# Altium PCB Блок 1а (БУ АРМ).PcbDoc (part 1 of 4)
Units mm, origin at the board's own origin, x right, y up, seen from the top; angles counter-clockwise.
Board outline 220 x 306 mm, 6 copper layers (Top Layer, Top, Internal Plane 1, gnd, Mid-Layer 1, int1, Layer 1, Layer 2, Bottom Layer), stack 2.063 mm thick; 441 components, 363 nets, 1411 pads, 551 vias.
Unrouted connection lines stored in the file: 221.
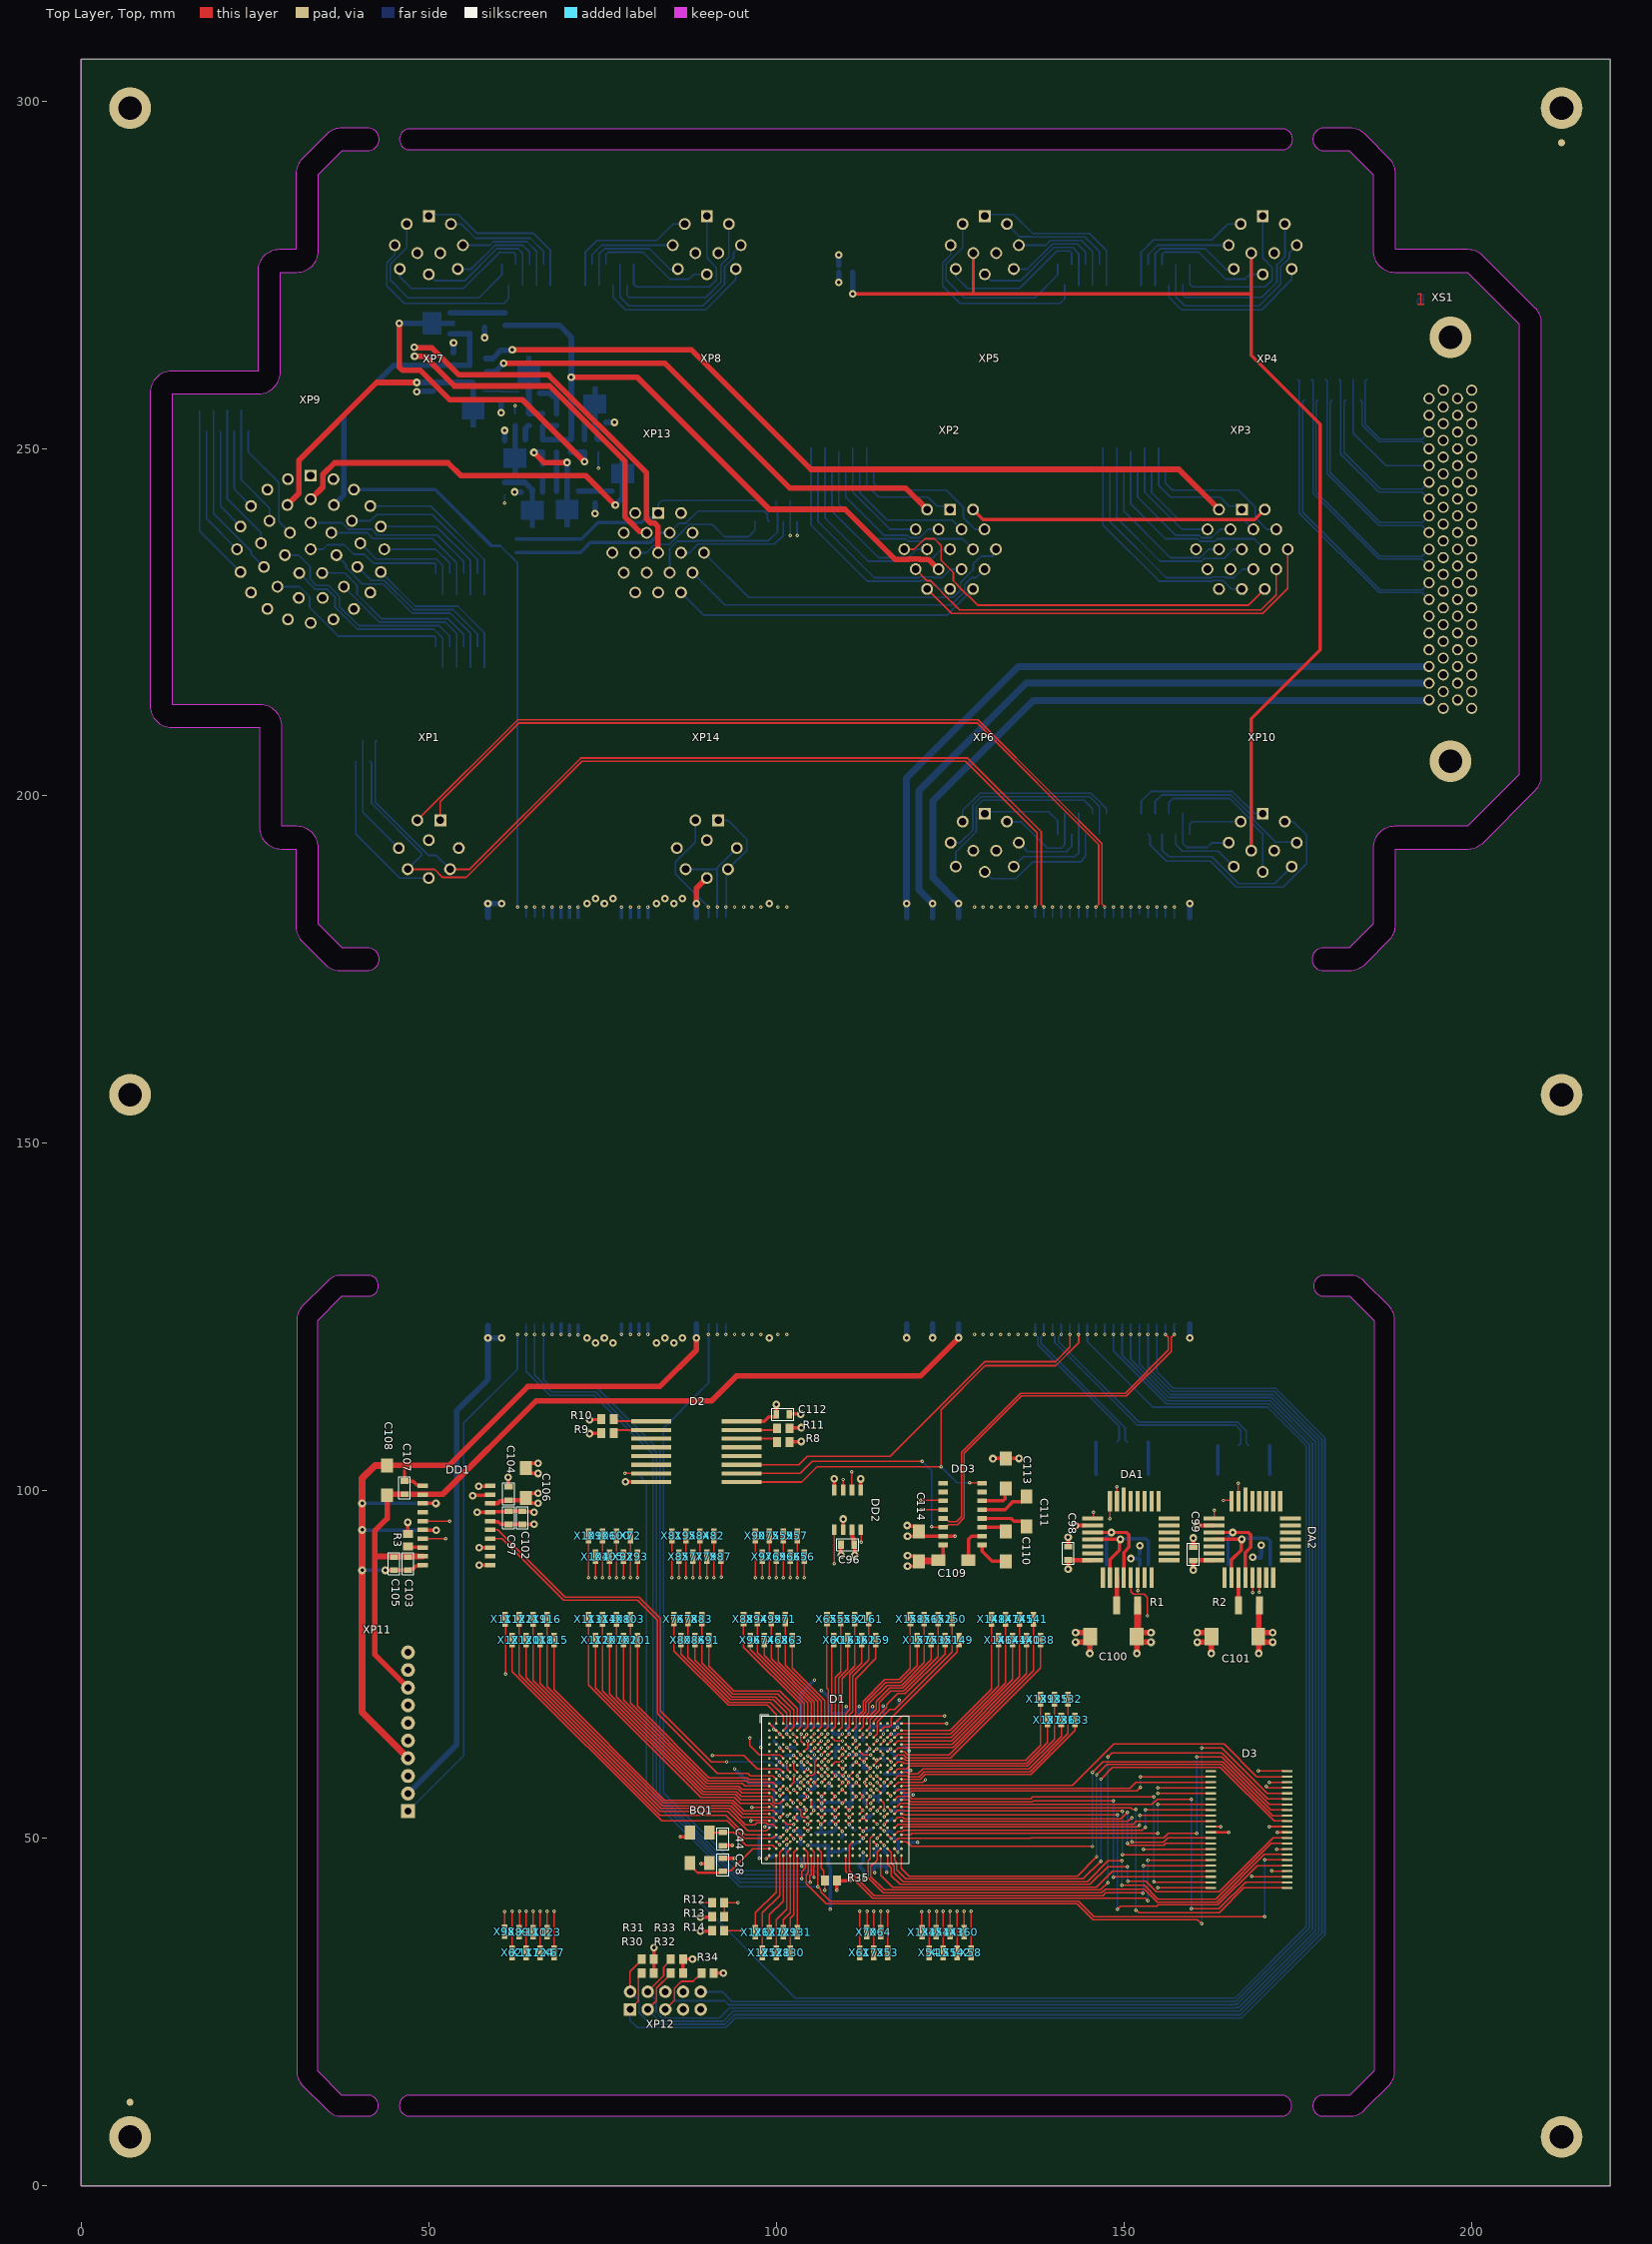
[diagram p0: Top Layer, Top view]
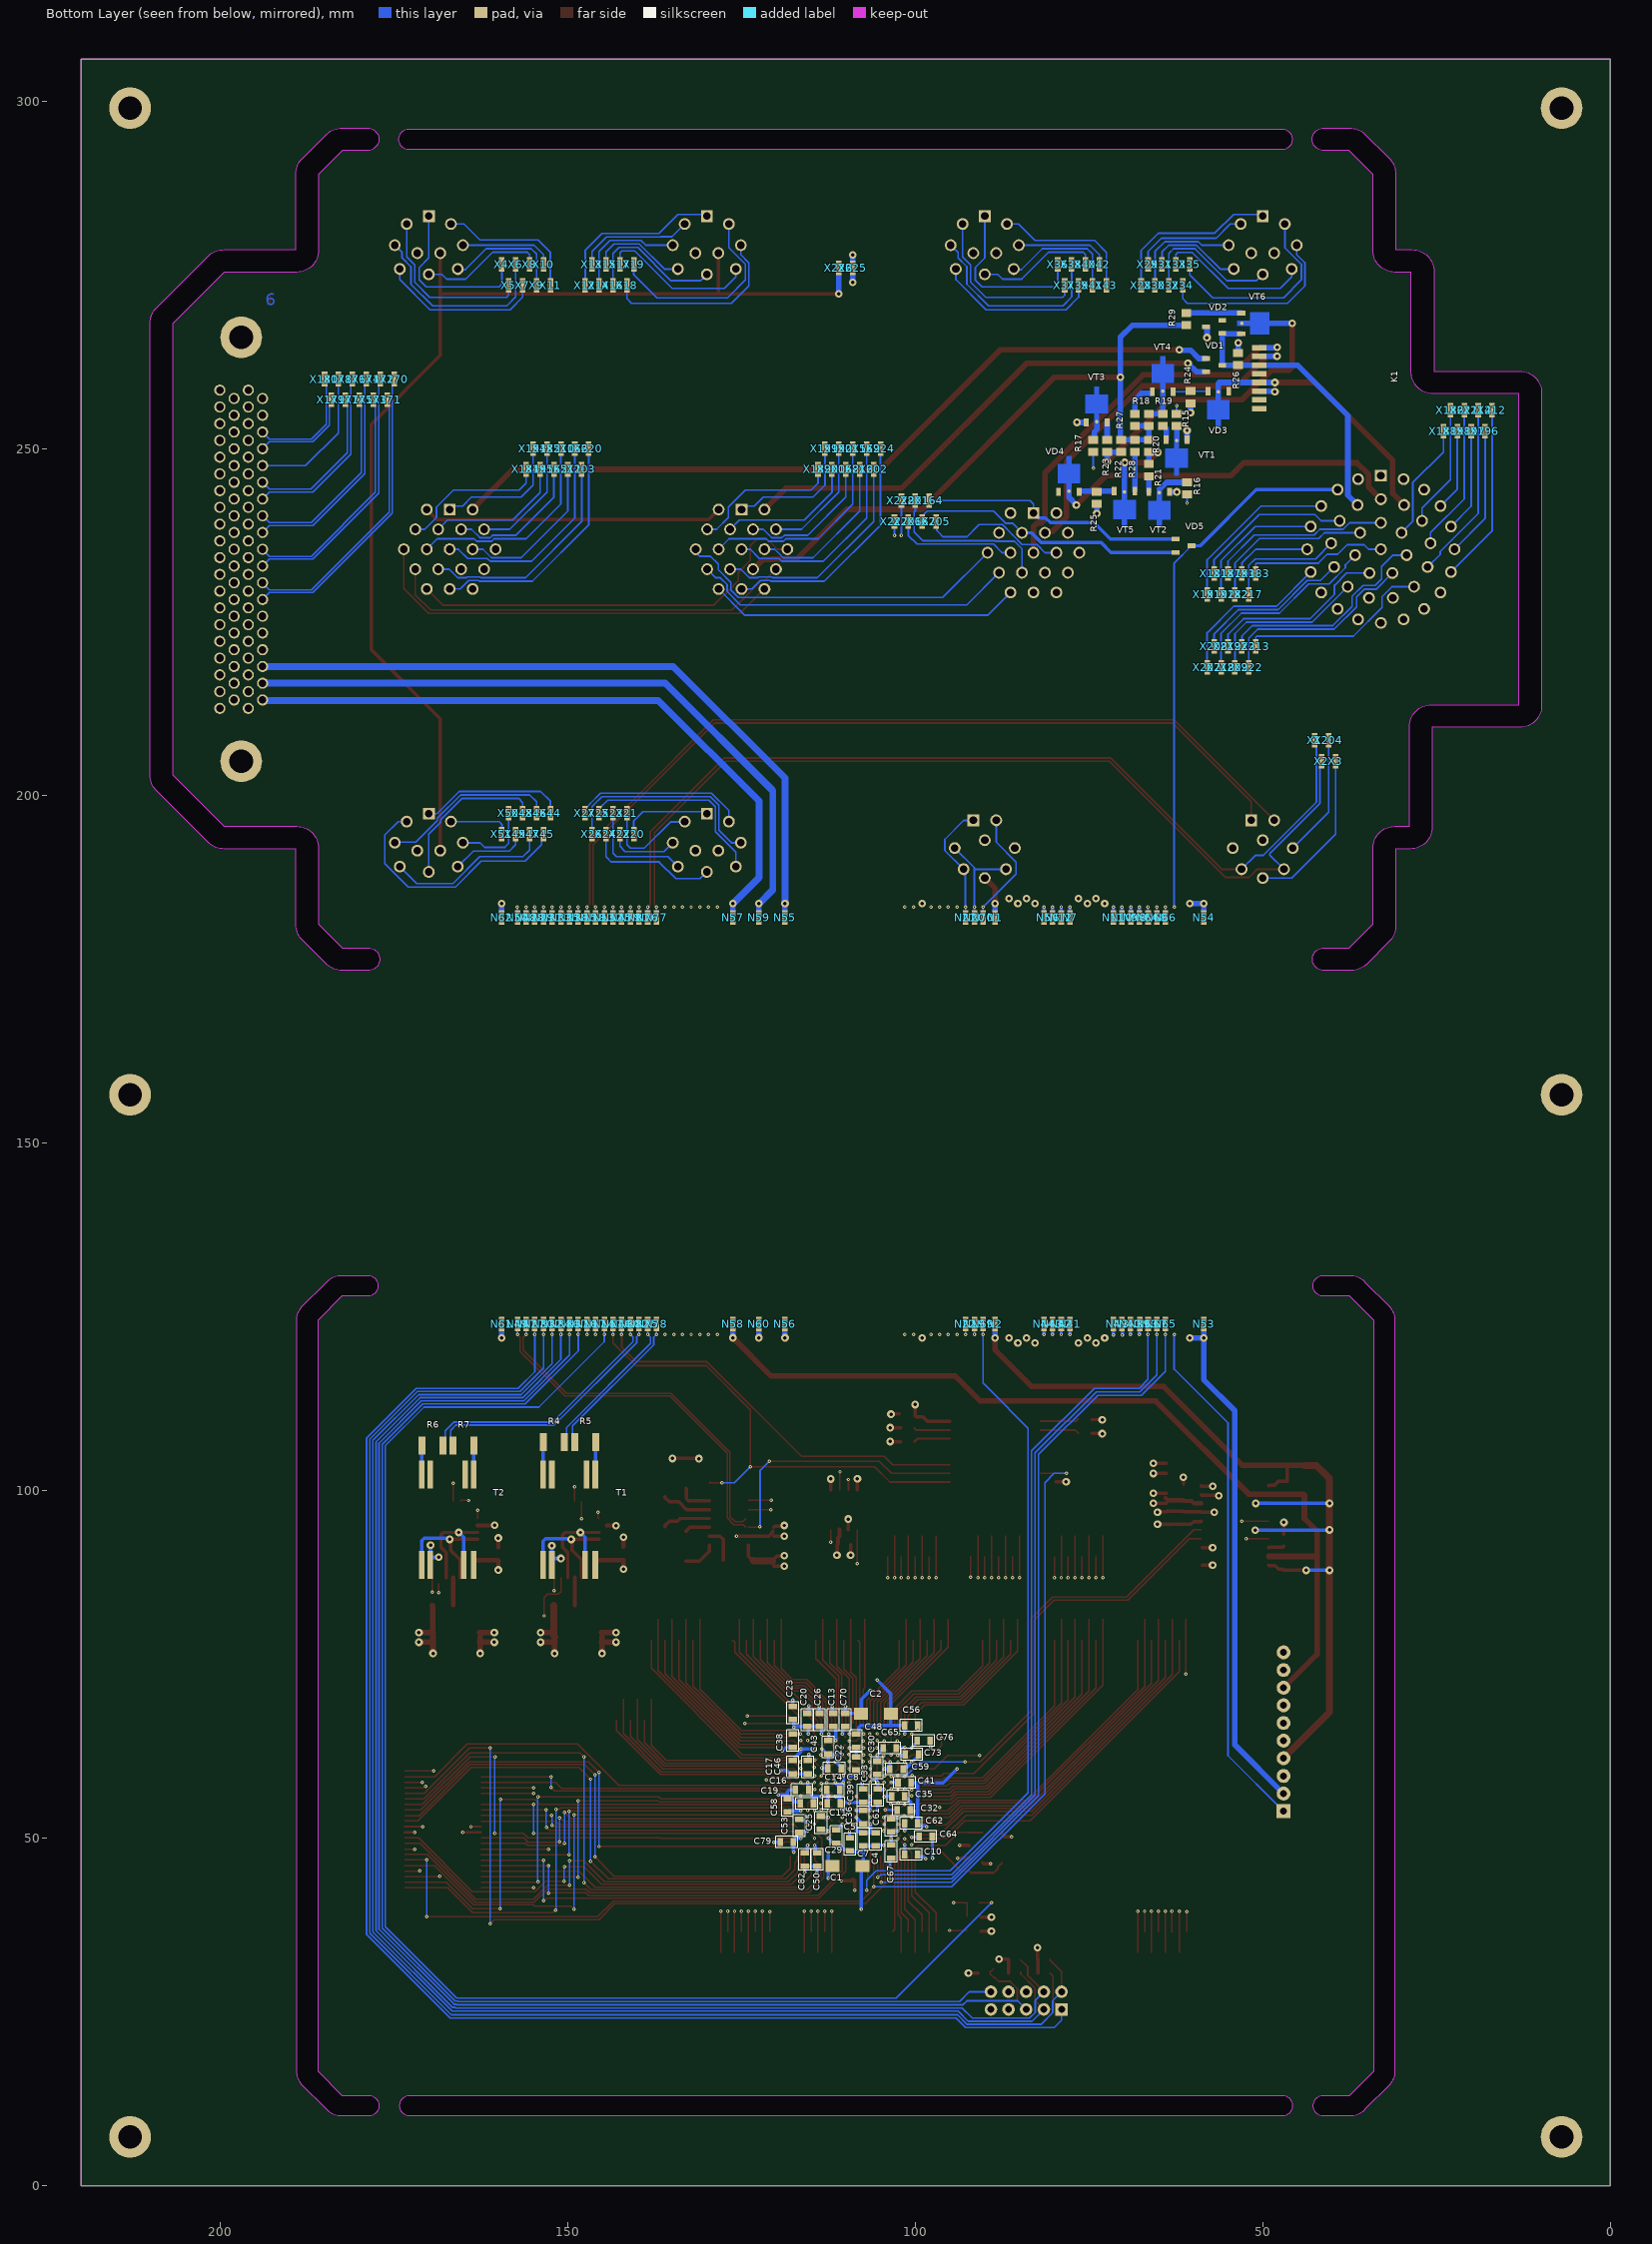
[diagram p1: Bottom Layer view, seen from below]
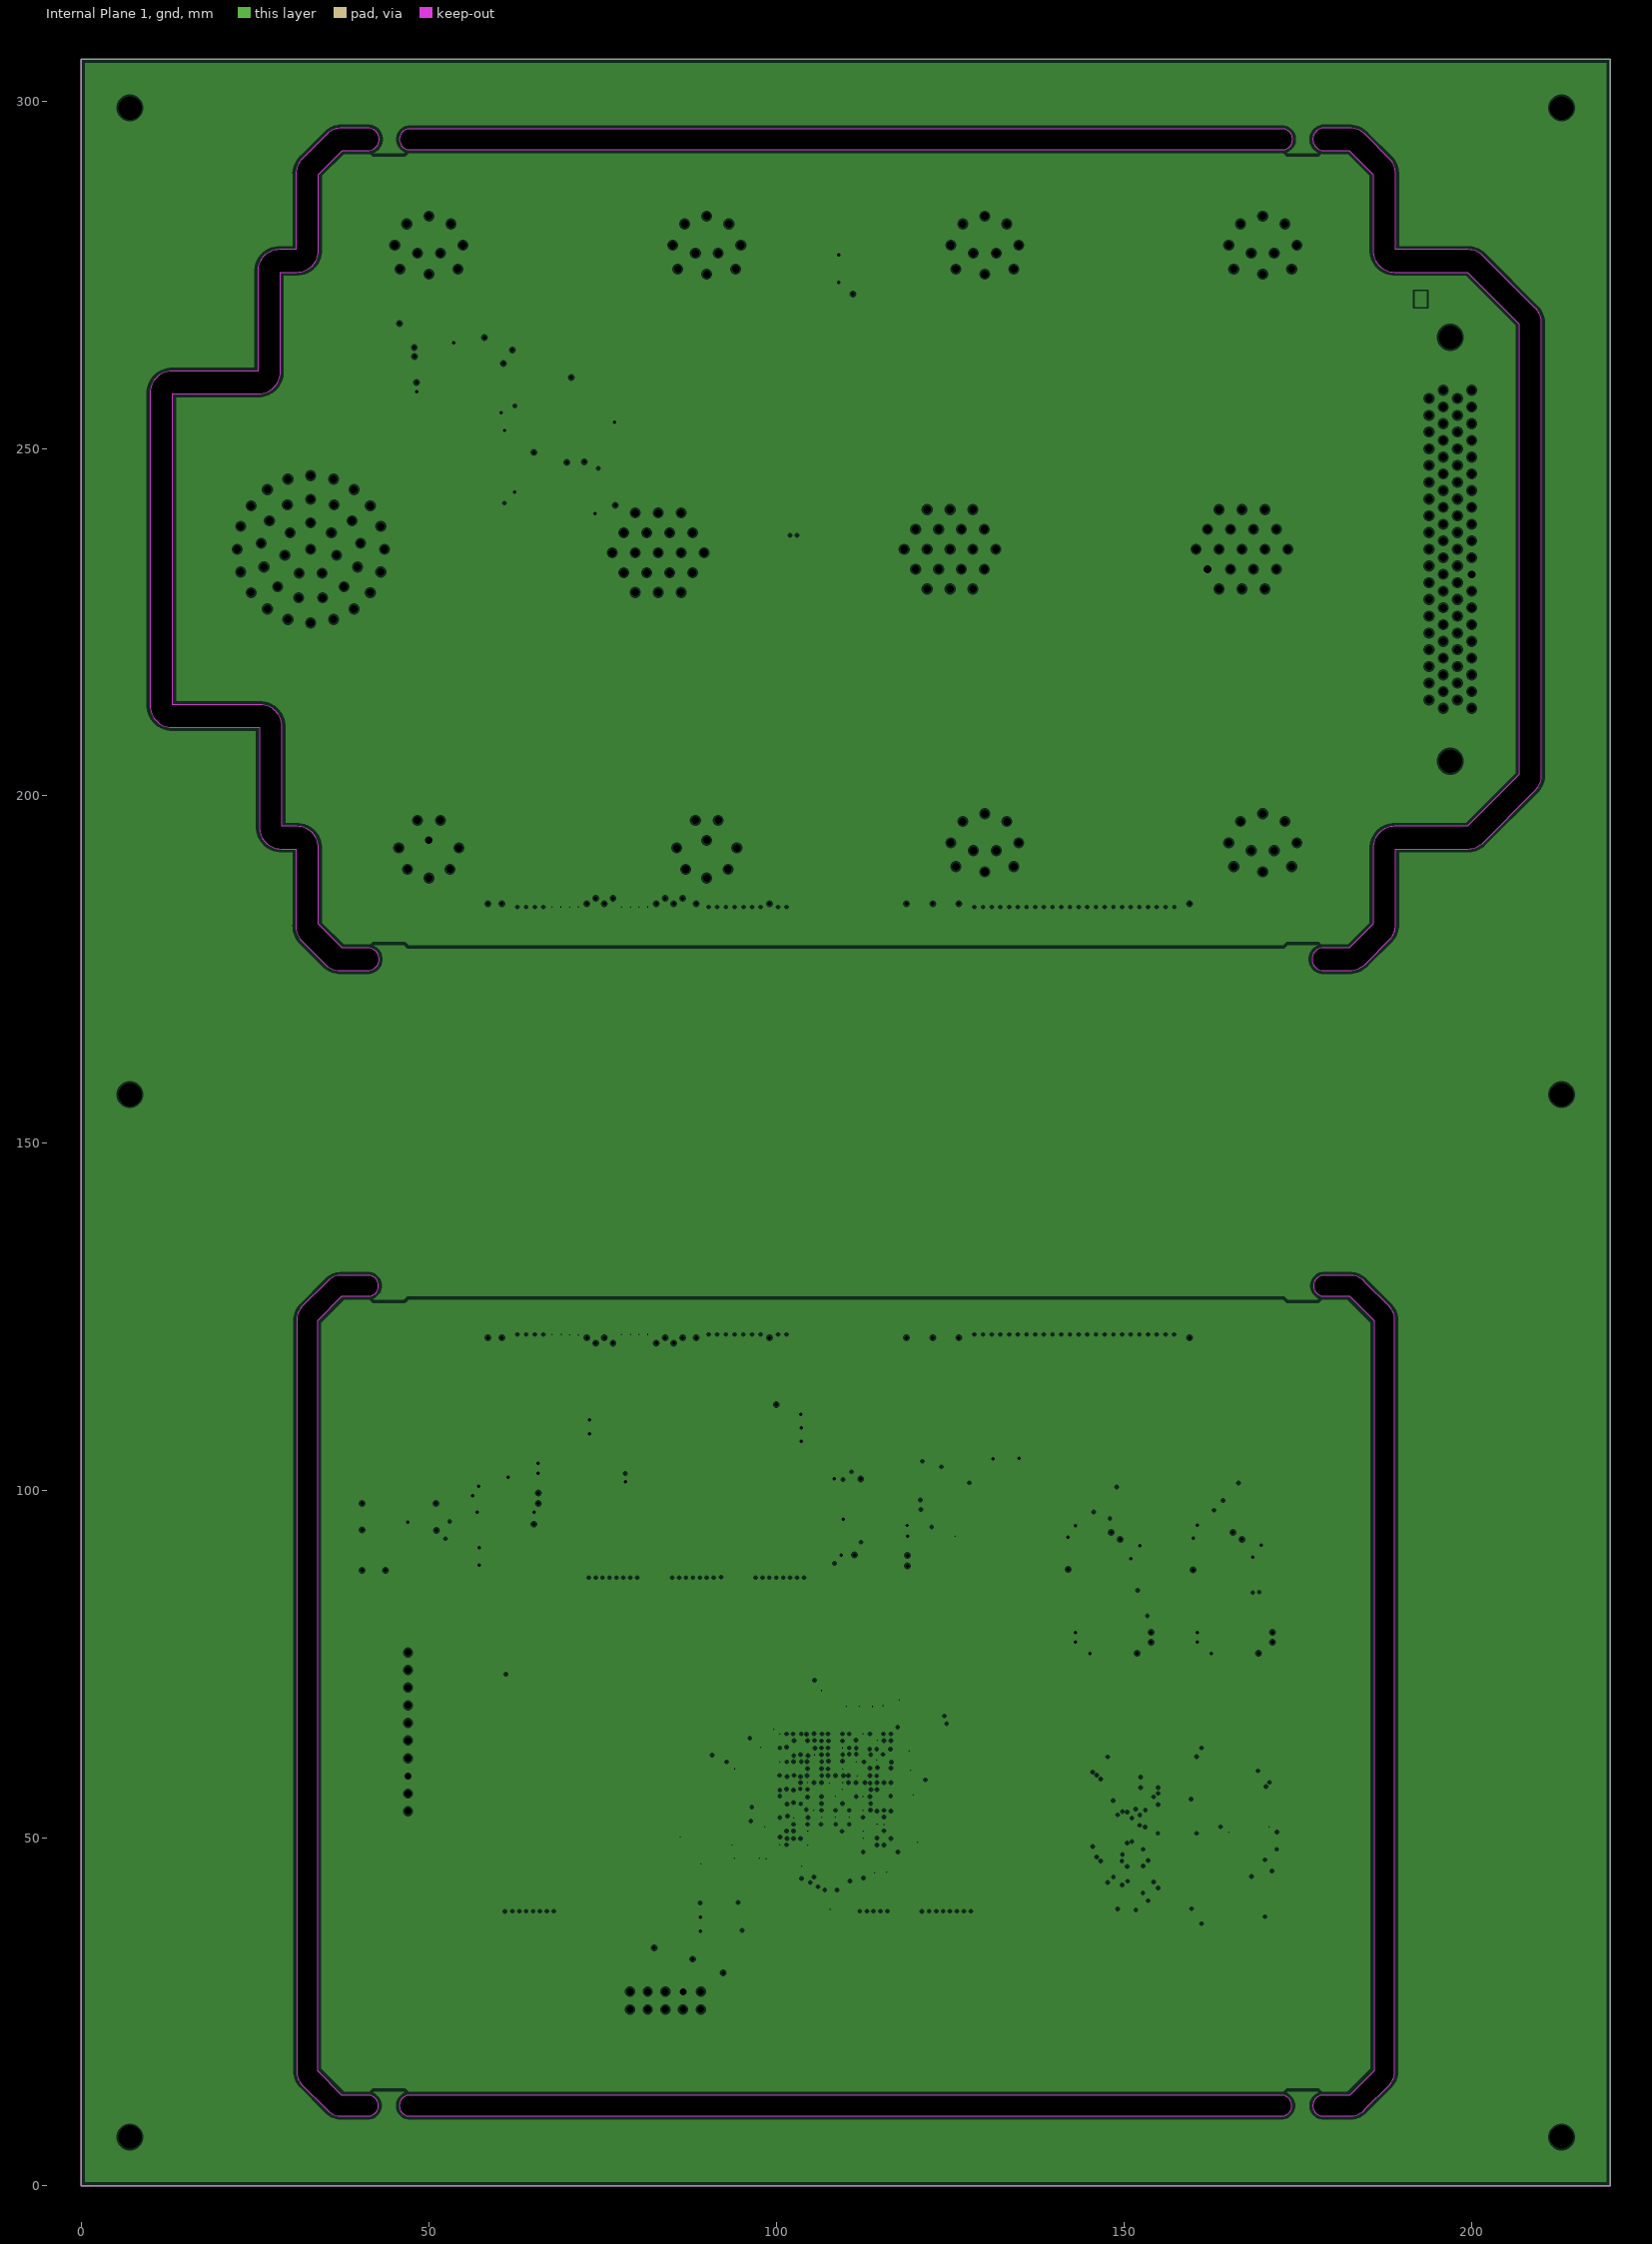
[diagram p2: Internal Plane 1, gnd, clearances drawn from the general rule]
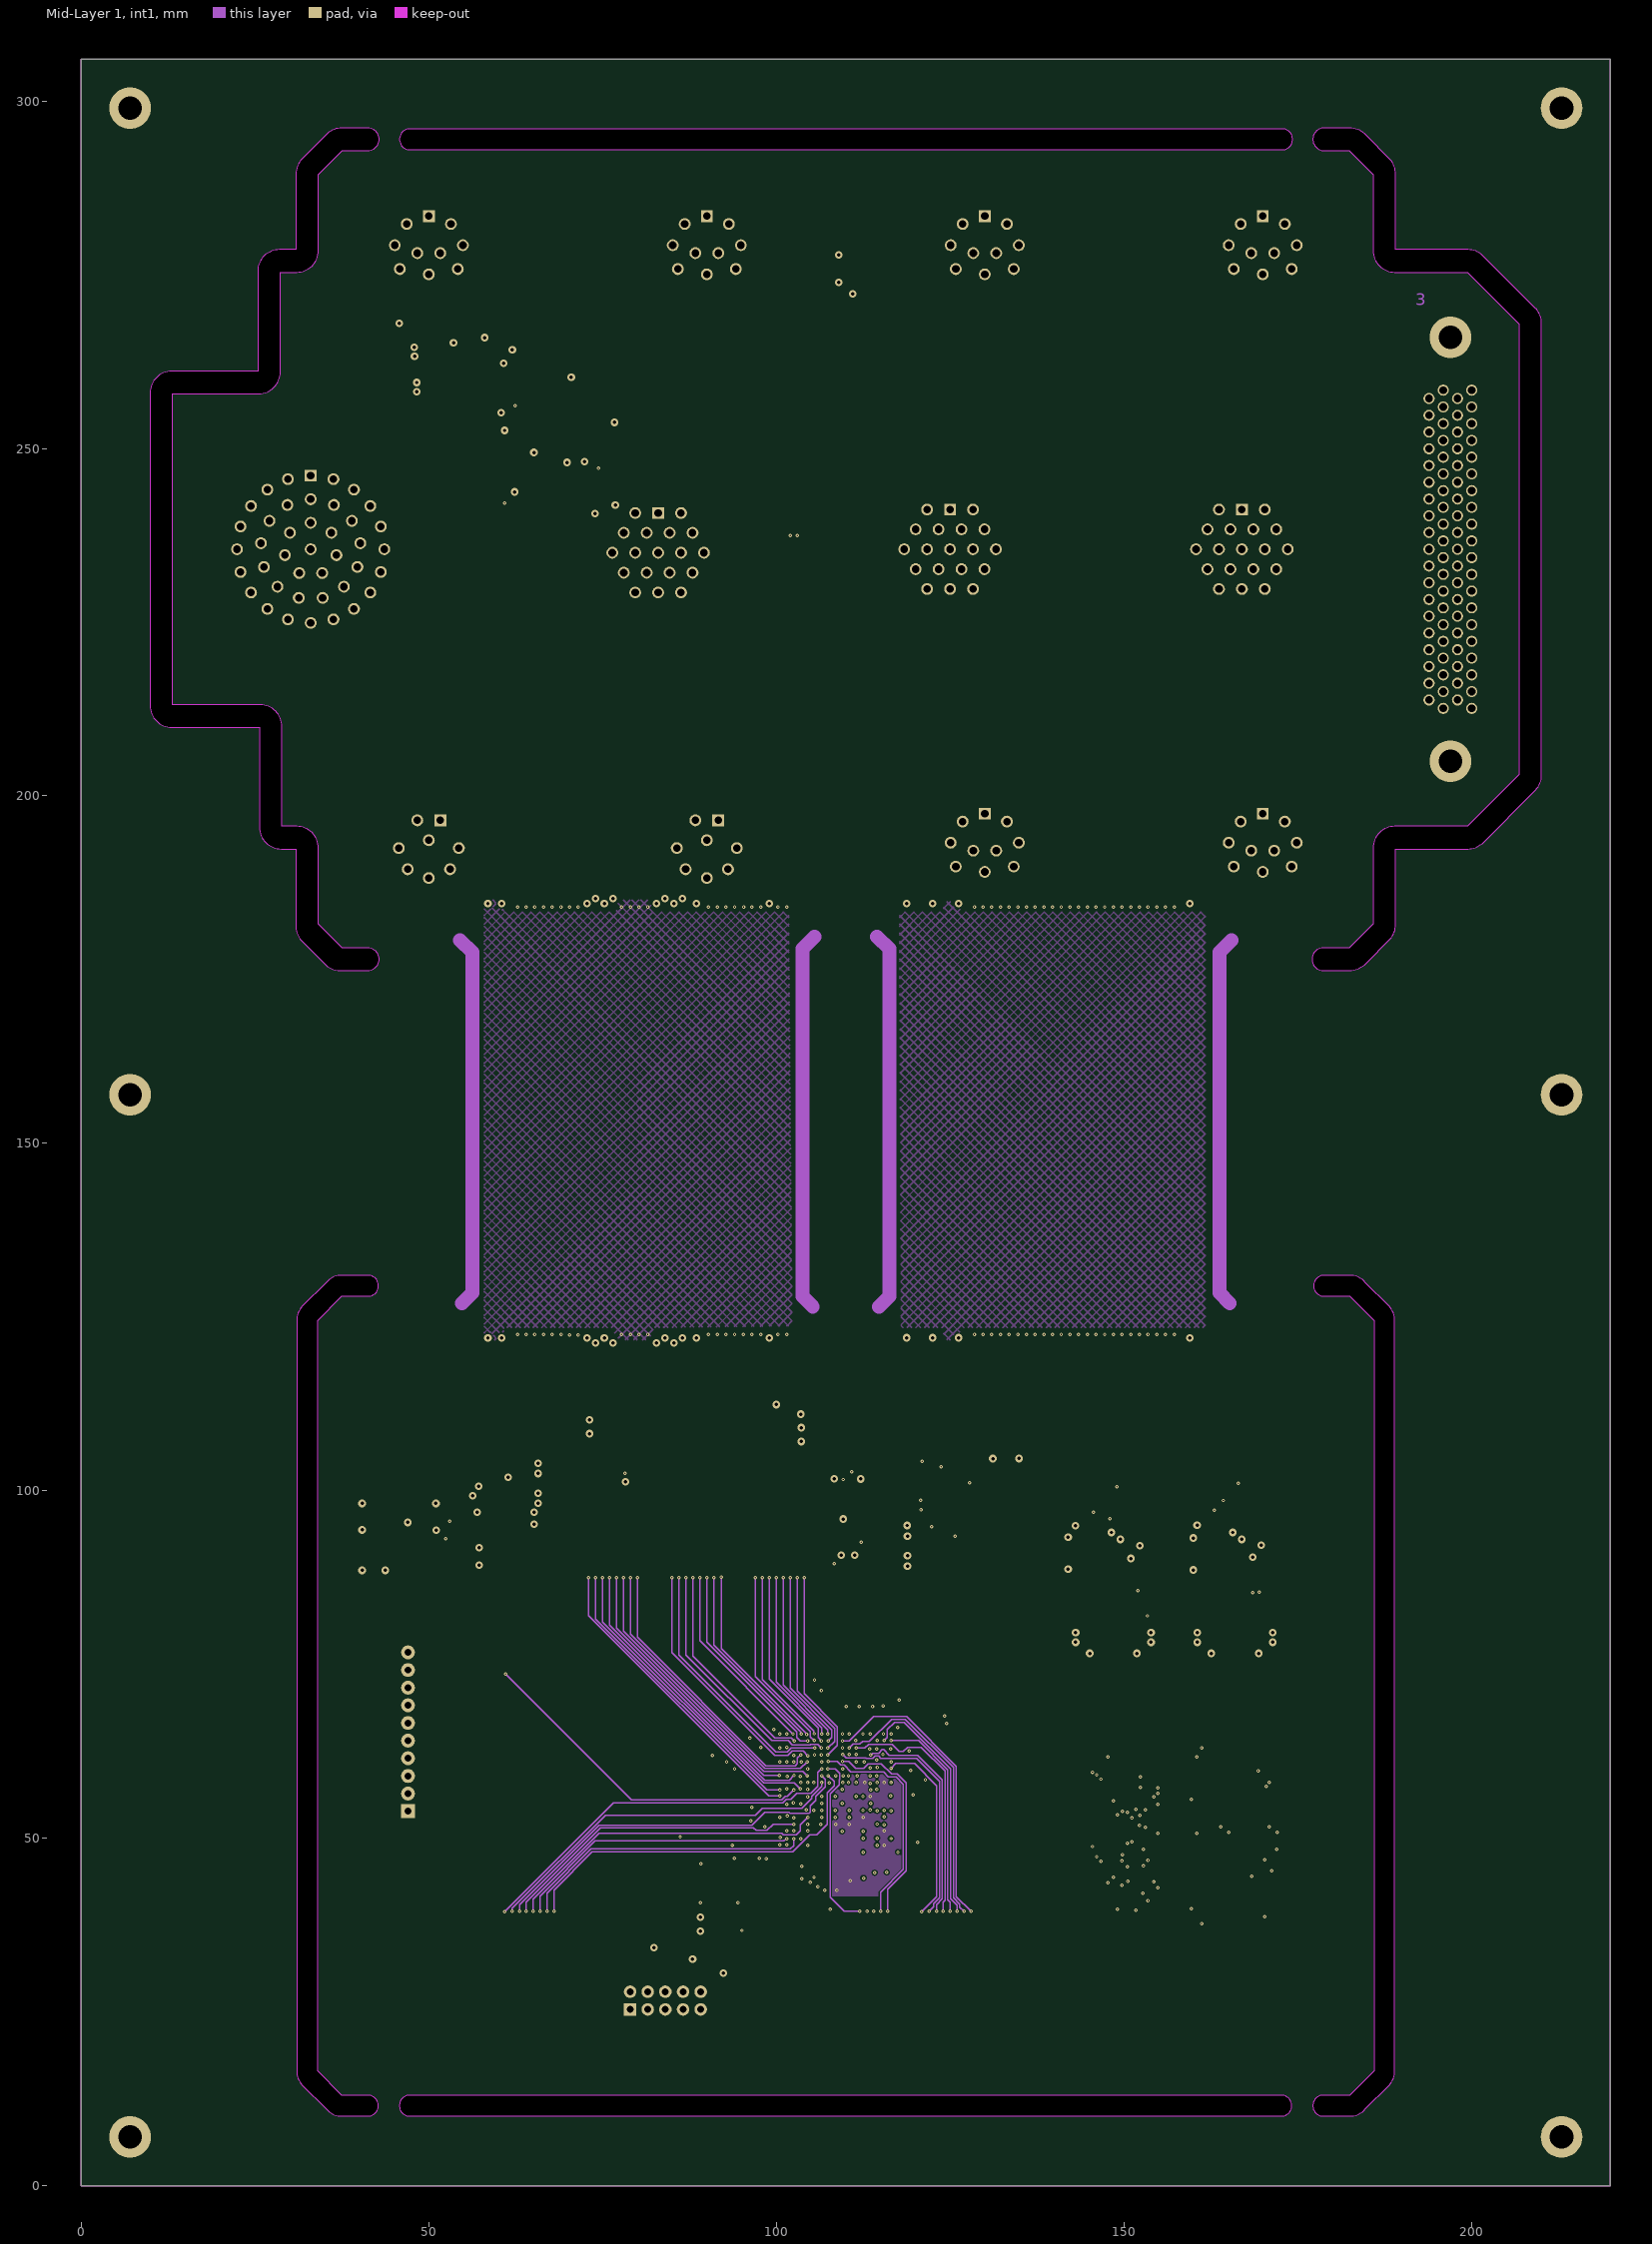
[diagram p3: Mid-Layer 1, int1]